# KiCad board M3DU_BoardV3_2.kicad_pcb
title: Model 3 Drive Unit
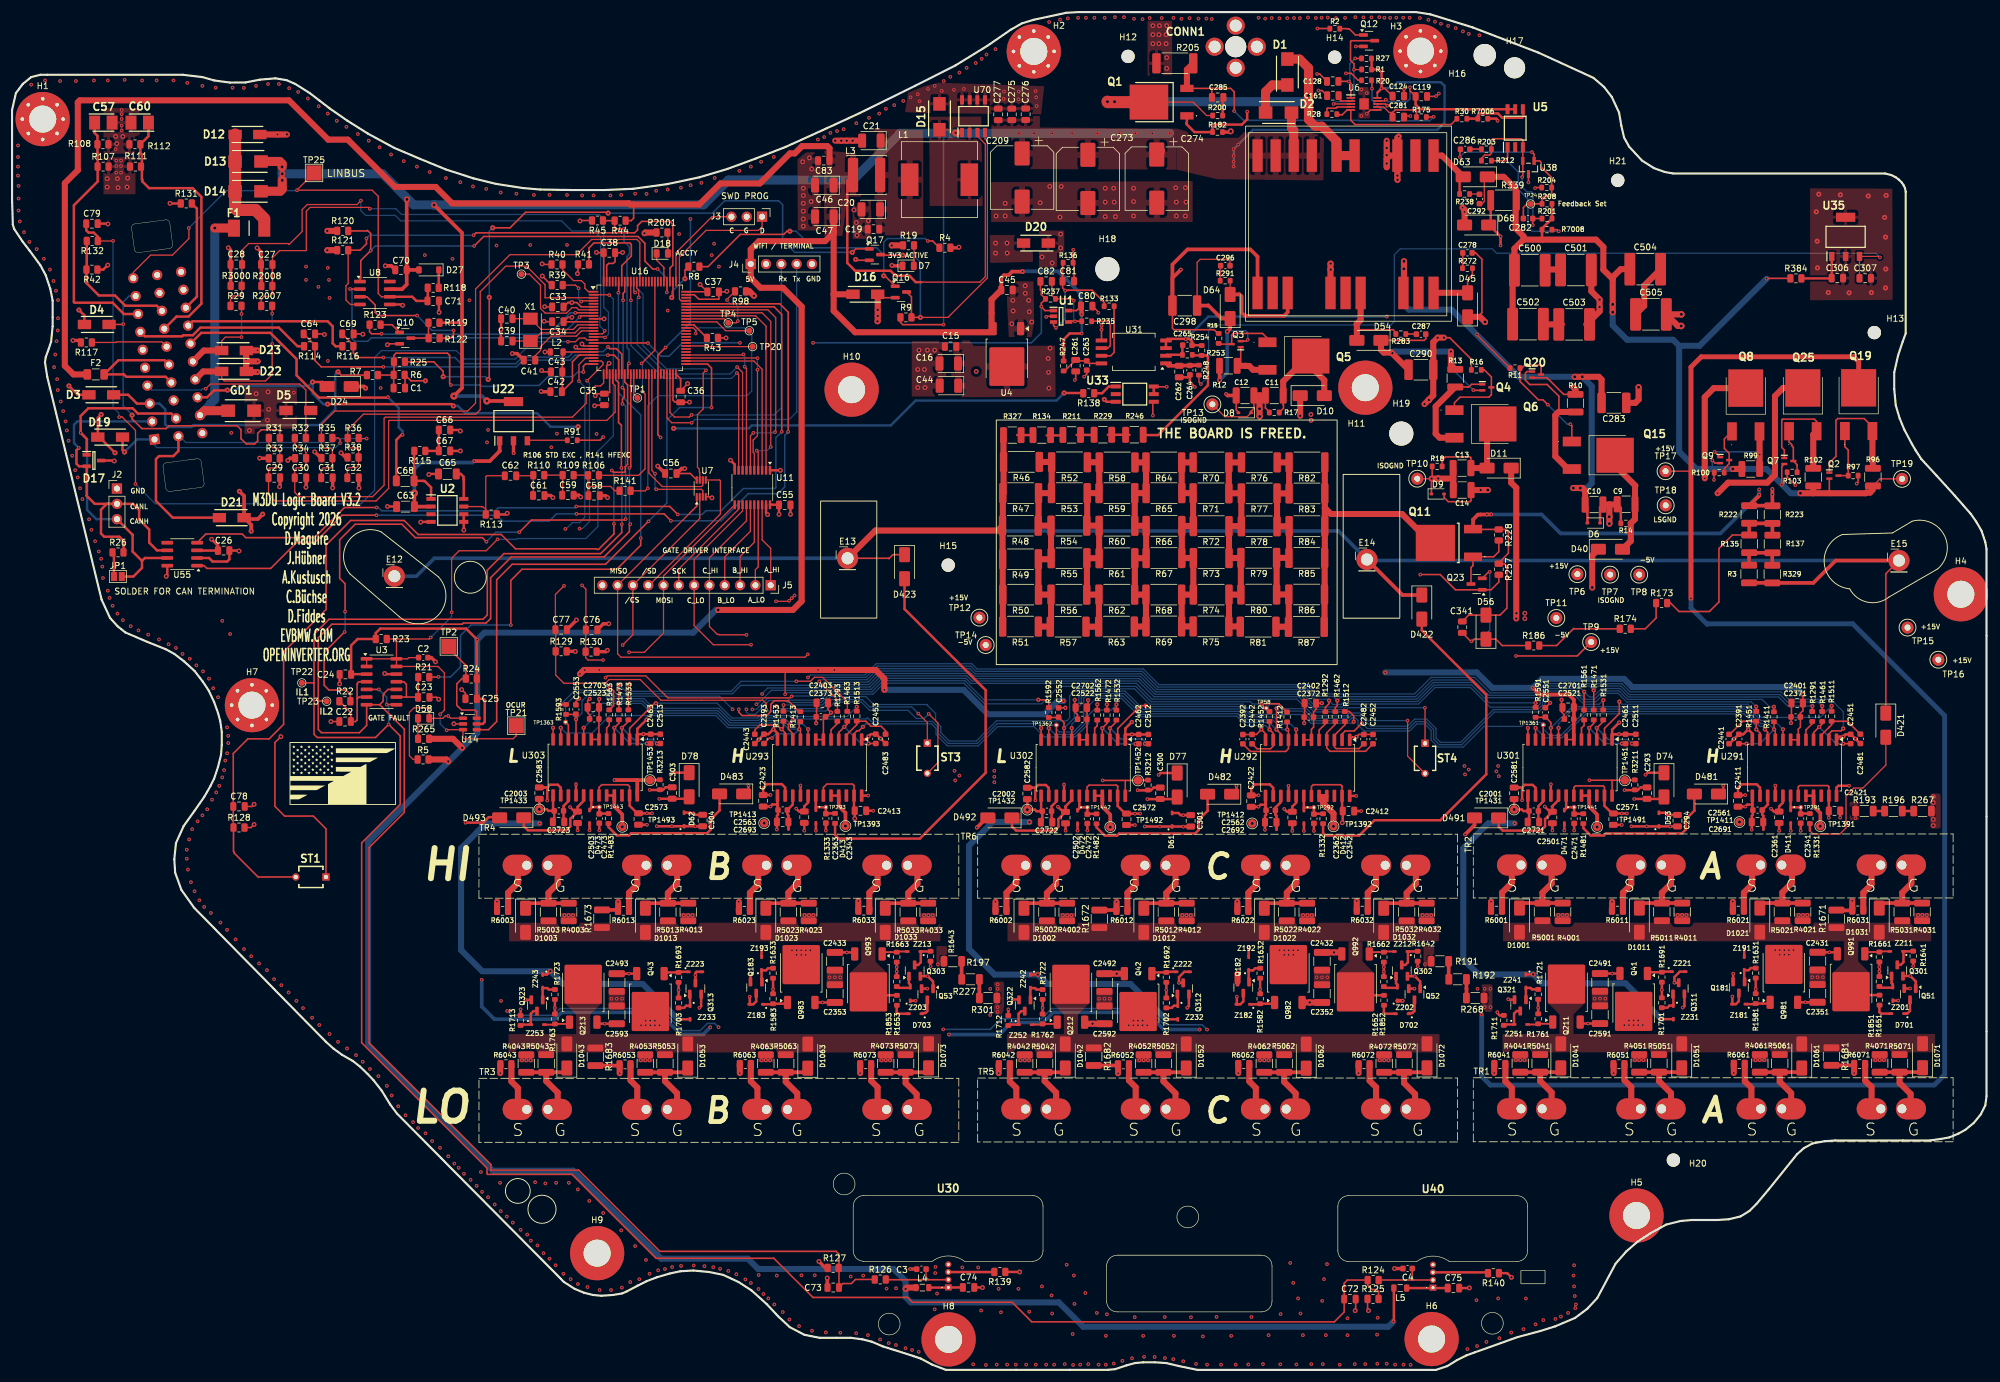
[diagram p0: board, top side]
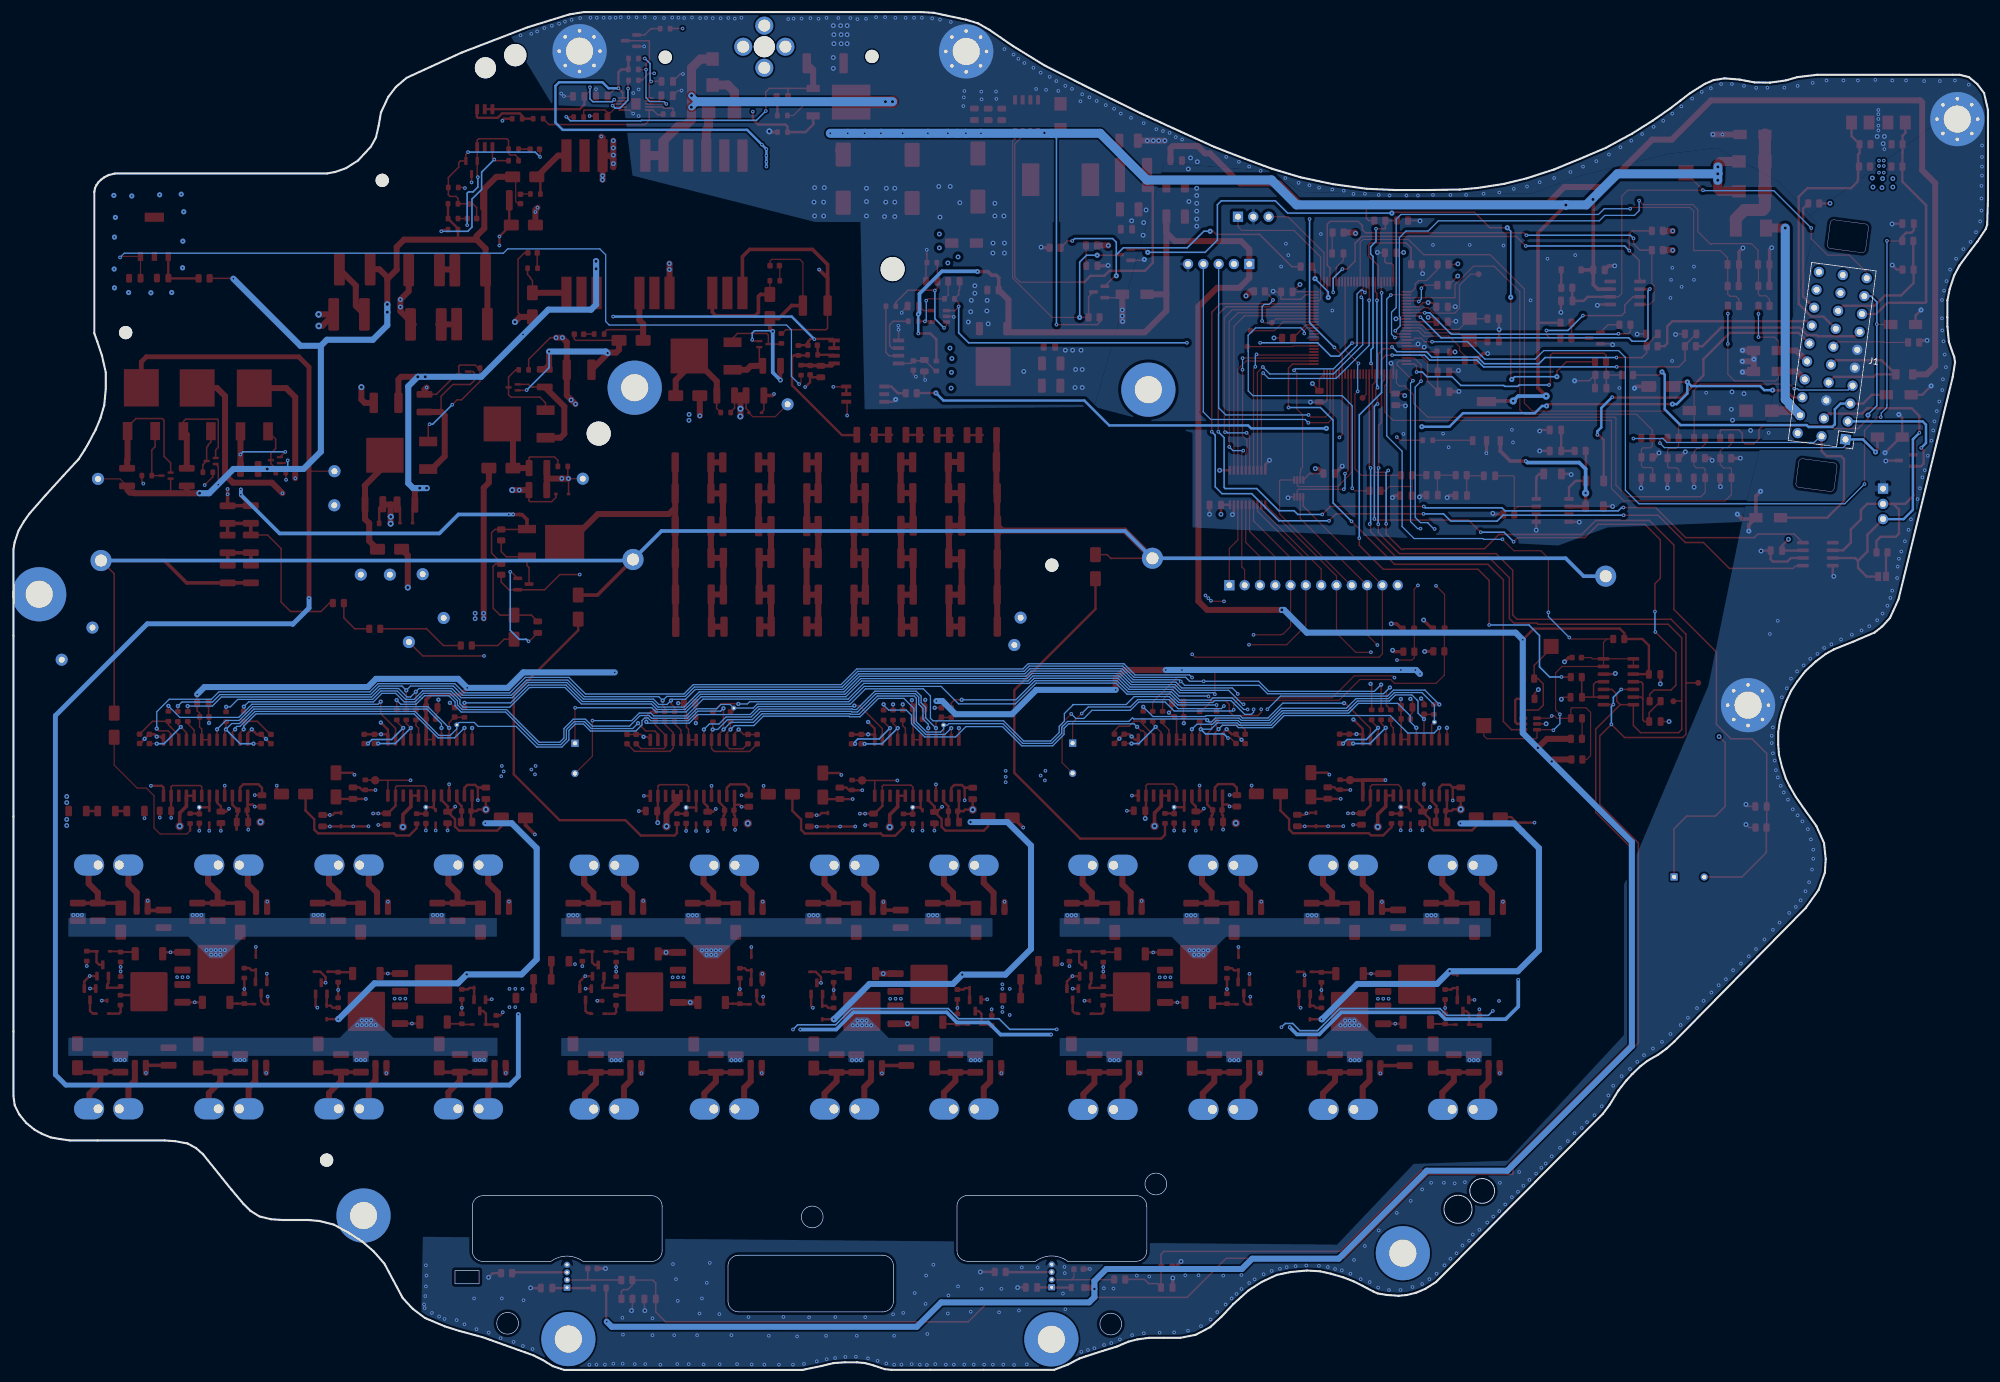
[diagram p1: board, bottom side, seen from below]

Outline 327.61 x 225.43 mm; copper layers: Top, In1.Cu (plane), In2.Cu, Bottom. Coordinates in mm from the lower left corner of the outline.
Outline path: circle c83.92,29.72 r2.06 ; circle c87.93,26.68 r2.33 ; circle c138.06,30.87 r1.8 ; circle c145.54,7.62 r1.8 ; circle c195.08,25.4 r1.8 ; circle c245.62,7.75 r1.8 ; rectangle 250.35,16.51 254.35,14.31 ; 0,194.38 0,205.61 0,209.17 0.64,211.96 1.78,213.49 3.18,214.63 4.7,215.01 28.32,215.01 31.59,214.63 33.56,214.07 36.16,213.71 38.74,213.74 41.16,214.21 43.69,214.42 45.53,214.12 46.99,213.49 49.4,211.96 52.71,209.42 55.63,207.39 59.06,205.23 63.4,202.88 67.7,201.05 71.99,199.29 76.56,197.81 80.29,196.9 84.71,196.22 87.63,195.96 93.04,195.88 98.32,195.88 103.09,196.09 108.65,196.85 114.05,197.99 118.72,199.39 123.29,201.07 128.36,203.04 135.19,206.14 140.68,208.67 149.85,213.19 156.54,216.57 161.8,219.8 165.69,222.48 167.55,223.55 169.55,224.16 174.88,225.3 177.04,225.43 232.92,225.43 235.33,225.04 242.32,222.88 253.24,218.69 262.38,214.5 264.16,212.98 265.43,211.33 266.64,208.72 267.01,206.57 267.46,204.6 268.29,203.09 270.44,200.77 272.42,199.52 274.19,198.88 275.59,198.63 310.77,198.63 311.79,198.37 312.55,197.99 313.06,197.61 313.56,197.1 313.82,196.72 314.07,196.22 314.2,195.58 314.2,172.09 313.69,170.69 312.93,168.4 312.29,165.61 312.29,162.81 312.55,160.15 313.18,157.99 313.97,156.1 315.24,153.7 315.85,152.65 316.78,151.22 319.32,148.48 322.33,145.16 324.99,142.11 325.88,140.84 326.77,139.32 327.41,137.41 327.61,136.27 327.61,121.9 327.61,45.47 327.41,43.94 326.65,42.42 325.5,41.02 324.11,39.88 322.96,39.24 321.44,38.61 320.04,38.35 318.26,38.1 302.52,38.1 300.74,37.97 298.71,37.59 297.31,36.83 296.17,35.81 291.47,29.97 289.43,27.56 288.29,26.42 286.79,25.48 284.86,25.02 282.91,24.89 278.69,24.89 276.84,24.73 274.45,24.13 271.91,22.73 269.75,21.34 267.84,19.69 266.07,17.65 263.02,11.94 261.37,10.16 259.34,8.64 256.03,7.24 253.62,6.48 249.81,5.46 242.7,2.92 241.3,2.41 239.78,1.65 238.13,0.63 236.22,0 196.72,0 193.68,0.63 191.52,1.14 189.61,1.27 187.71,1.27 186.31,1.14 184.91,0.76 183.01,0.13 181.87,0.02 154.94,0.02 152.66,0.89 150.75,1.91 149.61,2.29 146.43,3.3 144.52,3.89 142.62,4.7 141.1,5.08 139.19,5.33 133.99,5.33 131.45,5.84 129.03,7.11 127.13,8.89 125.22,10.92 122.68,13.21 120.52,14.6 117.99,15.78 115.7,16.26 113.03,16.51 110.87,16.38 109.09,16 106.94,15.37 105.28,14.73 103.76,13.97 101.99,13.04 101.22,12.7 99.7,12.45 97.79,12.32 96.39,12.45 94.87,12.83 93.35,13.46 91.57,14.6 63.88,42.54 62.74,44.07 61.34,46.35 59.95,48.13 58.98,49.15 57.71,50.38 56.52,51.31 54.74,52.32 53.34,53.34 52.07,54.48 30.23,76.71 28.12,79.66 27.06,82.55 26.92,84.8 27.2,87.48 28.47,90.29 30.23,92.75 31.88,95.12 32.89,96.9 33.53,98.17 34.16,100.08 34.67,102.11 34.8,103.76 34.8,105.92 34.55,107.7 34.16,109.09 33.53,110.87 32.64,112.78 31.62,114.3 30.29,116.03 28.58,117.6 26.93,118.87 25.53,119.63 22.41,120.88 18.8,122.43 17.53,123.44 16.26,124.84 14.85,127.9 5.84,164.85 5.46,167.26 5.59,168.15 6.1,169.55 6.48,170.69 6.73,173.23 6.73,177.55 6.35,179.45 5.59,181.74 4.7,183.39 2.92,185.8 1.76,187.31 0.36,189.42 0.13,190.12 0,194.38 ; 139.56,27.18 139.56,19.8 arc(140.08,18.56) 141.28,18.04 152.68,18.04 arc(155.35,18.92) 158.03,18.04 169.28,18.04 arc(170.54,18.56) 171.06,19.82 171.06,27.19 arc(170.54,28.44) 169.28,28.96 141.35,28.96 arc(140.08,28.44) 139.56,27.18 ; 181.61,17.27 arc(182.13,18.53) 183.39,19.05 207.27,19.05 arc(208.53,18.53) 209.06,17.25 209.06,11.43 arc(208.54,10.16) 207.27,9.64 183.39,9.64 arc(182.13,10.16) 181.61,11.42 181.61,17.27 ; 219.98,27.16 219.98,19.77 arc(220.5,18.53) 221.7,18.01 233.09,18.01 arc(235.76,18.9) 238.45,18.01 249.7,18.01 arc(250.96,18.53) 251.48,19.79 251.48,27.16 arc(250.96,28.41) 249.7,28.93 221.77,28.93 arc(220.5,28.41) 219.98,27.16
Stack: Top 0.035mm / dielectric 0.2mm FR4 er 4.5 / In1.Cu 0.0175mm / dielectric 1.075mm FR4 er 4.5 / In2.Cu 0.0175mm / dielectric 0.2mm FR4 er 4.5 / Bottom 0.035mm

## Placement (name value [footprint] x y rotation side)
C1  1uF  [C_0805_2012Metric]  64.25 163.01 0 top
C2  10nF  [C_0603_1608Metric]  68.23 118.26 0 top
C3  10nF  [C_0603_1608Metric]  150.88 16.74 180 top
C4  10nF  [C_0603_1608Metric]  231.55 16.84 180 top
C9  2.2uF  [C_1210_3225Metric]  267.81 143.72 0 top
C10  2.2uF  [C_1210_3225Metric]  262.48 143.67 0 top
C11  2.2uF  [C_1210_3225Metric]  209.43 161.77 0 top
C12  2.2uF  [C_1210_3225Metric]  204.58 161.77 0 top
C13  2.2uF  [C_1210_3225Metric]  240.58 149.72 0 top
C14  2.2uF  [C_1210_3225Metric]  240.61 146.07 180 top
C15  1uF  [C_0805_2012Metric]  155.73 169.9 180 top
C16  100uF 6.3V  [CP_EIA-3528-15_AVX-H#2]  155.42 167.09 180 top
C19  1uF  [C_0805_2012Metric]  142.93 189.37 180 top
C20  100uF 6.3V  [CP_EIA-3528-15_AVX-H#2]  142.48 192.67 180 top
C21  100uF 6.3V  [CP_EIA-3528-15_AVX-H#2]  142.58 204.07 180 top
C22  1uF  [C_0805_2012Metric]  55.26 107.65 180 top
C23  1uF  [C_0805_2012Metric]  68.31 111.67 0 top
C24  1uF  [C_0805_2012Metric]  55.31 115.47 180 top
C25  1uF  [C_0805_2012Metric]  76.18 111.42 180 top
C26  100nF  [C_0805_2012Metric]  35.1 136.03 0 top
C27  1uF  [C_0805_2012Metric]  42.26 183.52 180 top
C28  1uF  [C_0805_2012Metric]  37.21 183.52 180 top
C29  1uF  [C_0805_2012Metric]  43.51 148.12 0 top
C30  1uF  [C_0805_2012Metric]  47.86 148.1 0 top
C31  1uF  [C_0805_2012Metric]  52.24 148.1 0 top
C32  1uF  [C_0805_2012Metric]  56.58 148.11 0 top
C33  10uF  [C_0805_2012Metric]  90.56 176.47 0 top
C34  1uF  [C_0805_2012Metric]  90.56 174.02 180 top
C35  1uF  [C_0805_2012Metric]  98.27 161.12 270 top
C36  1uF  [C_0805_2012Metric]  110.93 161.6 270 top
C37  1uF  [C_0805_2012Metric]  116.33 178.97 0 top
C38  1uF  [C_0805_2012Metric]  99.11 185.47 0 top
C39  22pF  [C_0805_2012Metric]  82.09 170.81 0 top
C40  22pF  [C_0805_2012Metric]  82.09 174.52 0 top
C41  100nF  [C_0805_2012Metric]  85.85 167.64 0 top
C42  100nF  [C_0805_2012Metric]  90.28 162.4 0 top
C43  10uF  [C_0805_2012Metric]  90.36 165.7 0 top
C44  100uF 6.3V  [CP_EIA-3528-15_AVX-H#2]  155.45 163.39 180 top
C45  1uF  [C_0805_2012Metric]  165.08 179.29 0 top
C46  100uF 6.3V  [CP_EIA-3528-15_AVX-H]  134.78 196.67 180 top
C47  100uF 6.3V  [CP_EIA-3528-15_AVX-H]  134.78 191.47 180 top
C55  1uF  [C_0805_2012Metric]  128.21 143.6 0 top
C56  1uF  [C_0805_2012Metric]  109.31 148.82 180 top
C57  100uF 6.3V  [CAPPM3528X210N]  15.16 207.07 0 top
C58  22nF  [C_0805_2012Metric]  96.57 145.15 0 top
C59  22nF  [C_0805_2012Metric]  92.23 145.22 0 top
C60  100uF 6.3V  [CAPPM3528X210N]  21.18 207.07 180 top
C61  22nF  [C_0805_2012Metric]  87.39 145.17 0 top
C62  22nF  [C_0805_2012Metric]  82.71 148.45 180 top
C63  10uF  [C_1206_3216Metric]  65.28 143.32 0 top
C64  1nF  [C_0805_2012Metric]  49.33 172 0 top
C65  10uF  [C_1206_3216Metric]  72.23 148.75 0 top
C66  22nF  [C_0805_2012Metric]  71.76 156.05 0 top
C67  22nF  [C_0805_2012Metric]  71.76 152.57 0 top
C68  10uF  [C_1206_3216Metric]  65.23 147.6 180 top
C69  1nF  [C_0805_2012Metric]  55.73 172 0 top
C70  1uF  [C_0805_2012Metric]  64.53 182.62 180 top
C71  1nF  [C_0805_2012Metric]  69.88 177.47 0 top
C72  1nF  [C_0805_2012Metric]  221.98 11.77 0 top
C73  1nF  [C_0805_2012Metric]  136.25 13.69 180 top
C74  1uF  [C_0805_2012Metric]  158.71 13.7 0 top
C75  1uF  [C_0805_2012Metric]  239.16 13.6 0 top
C76  1uF  [C_0805_2012Metric]  96.16 122.87 0 top
C77  1uF  [C_0805_2012Metric]  91.11 122.9 0 top
C78  1uF  [C_0805_2012Metric]  37.66 93.55 0 top
C79  1uF  [C_0805_2012Metric]  13.26 190.3 0 top
C80  1uF  [C_0805_2012Metric]  178.31 176.62 0 top
C81  100pF  [C_0805_2012Metric]  175.26 180.75 0 top
C82  100pF  [C_0805_2012Metric]  171.58 180.72 0 top
C83  1nF  [C_0805_2012Metric]  134.68 200.77 180 top
C119  1uF  [C_0805_2012Metric]  233.83 211.42 0 top
C124  0.1uF  [C_0805_2012Metric]  230.01 211.47 0 top
C128  200pF  [C_0805_2012Metric]  219.13 213.92 180 top
C161  47nF  [C_0805_2012Metric]  219.16 211.55 180 top
C209  100uF 25V  [CP_Elec_10x10]  167.59 197.95 270 top
C261  10uF  [C_0805_2012Metric]  176.48 166.72 270 top
C262  10uF  [C_0805_2012Metric]  193.66 165.75 90 top
C263  100nF  [C_0603_1608Metric]  178.31 166.75 90 top
C264  100nF  [C_0603_1608Metric]  195.43 165.97 270 top
C265  10nF  [C_0603_1608Metric]  195.01 170.12 0 top
C273  220uF 35V  [CP_Elec_10x10]  178.51 197.72 270 top
C274  220uF 35V  [CP_Elec_10x10]  189.93 197.77 270 top
C275  0.1uF  [C_0805_2012Metric]  165.88 208.44 90 top
C276  1uF  [C_0805_2012Metric]  168.18 208.46 90 top
C277  1uF  [C_0805_2012Metric]  163.63 208.44 90 top
C278  82pF  [C_0603_1608Metric]  241.48 185.45 0 top
C281  330pF  [C_0805_2012Metric]  230.01 208 0 top
C282  10nF  [C_0603_1608Metric]  251.53 191.15 0 top
C283  3.3uF  [C_1812_4532Metric]  265.78 160.55 180 top
C285  470pF  [C_0805_2012Metric]  200.03 211.25 180 top
C286  22nF  [C_0603_1608Metric]  241.11 202.65 0 top
C287  82pF  [C_0603_1608Metric]  233.78 171.95 0 top
C290  3.3uF  [C_1812_4532Metric]  233.76 166.05 0 top
C292  82pF  [C_0603_1608Metric]  243.48 194.4 90 top
C293  2.2uF  [C_0805_2012Metric]  271.27 95.76 90 top
C294  2.2uF  [C_0805_2012Metric]  276.33 91.19 270 top
C296  82pF  [C_0603_1608Metric]  201.31 183.32 0 top
C298  3.3uF  [C_1812_4532Metric]  194.58 176.7 180 top
C300  2.2uF  [C_0805_2012Metric]  190.5 95.73 90 top
C301  1uF  [C_0805_2012Metric]  195.56 91.16 270 top
C303  2.2uF  [C_0805_2012Metric]  109.53 95.78 90 top
C304  1uF  [C_0805_2012Metric]  114.58 91.21 270 top
C306  1uF  [C_0805_2012Metric]  302.85 181.26 0 top
C307  10uF  [C_0805_2012Metric]  307.48 181.24 0 top
C341  1uF  [C_0805_2012Metric]  240.63 123.31 90 top
C500  15uF  [C_2220_5750Metric]  251.83 182.56 0 top
C501  15uF  [C_2220_5750Metric]  259.48 182.6 0 top
C502  15uF  [C_2220_5750Metric]  251.53 173.61 0 top
C503  15uF  [C_2220_5750Metric]  259.18 173.57 0 top
C504  15uF  [C_2220_5750Metric]  270.98 182.74 0 top
C505  15uF  [C_2220_5750Metric]  271.93 175.24 0 top
C2001  100nF  [C_0603_1608Metric]  252.48 92.79 0 top
C2002  100nF  [C_0603_1608Metric]  171.71 92.76 0 top
C2003  100nF  [C_0603_1608Metric]  90.73 92.81 0 top
C2341  82pF  [C_0603_1608Metric]  296.78 91.54 270 top
C2342  82pF  [C_0603_1608Metric]  216 91.52 270 top
C2343  82pF  [C_0603_1608Metric]  135.03 91.57 270 top
C2351  4.7uF  [C_1210_3225Metric]  299.57 62.51 90 top
C2352  4.7uF  [C_1210_3225Metric]  217.35 62.48 90 top
C2353  4.7uF  [C_1210_3225Metric]  136.53 62.48 90 top
C2361  1uF  [C_0805_2012Metric]  293.19 91.74 270 top
C2362  1uF  [C_0805_2012Metric]  212.42 91.72 270 top
C2363  1uF  [C_0805_2012Metric]  131.45 91.77 270 top
C2371  100nF  [C_0603_1608Metric]  295.94 108.41 0 top
C2372  100nF  [C_0603_1608Metric]  215.16 108.38 0 top
C2373  100nF  [C_0603_1608Metric]  134.19 108.43 0 top
C2391  82pF  [C_0603_1608Metric]  286.51 104.75 90 top
C2392  82pF  [C_0603_1608Metric]  204.22 104.71 90 top
C2393  82pF  [C_0603_1608Metric]  124.77 104.77 90 top
C2401  4.7uF  [C_0805_2012Metric]  296.19 110.72 0 top
C2402  4.7uF  [C_0805_2012Metric]  215.42 110.69 0 top
C2403  4.7uF  [C_0805_2012Metric]  134.44 110.74 0 top
C2411  1uF  [C_0805_2012Metric]  286.38 94.46 270 top
C2412  1uF  [C_0805_2012Metric]  221.74 92.79 0 top
C2413  1uF  [C_0805_2012Metric]  140.77 92.84 0 top
C2421  1uF  [C_0805_2012Metric]  302.39 92.81 0 top
C2422  1uF  [C_0805_2012Metric]  205.6 94.44 270 top
C2423  1uF  [C_0805_2012Metric]  124.63 94.49 270 top
C2431  4.7uF  [C_1210_3225Metric]  299.57 67.87 90 top
C2432  4.7uF  [C_1210_3225Metric]  217.35 67.84 90 top
C2433  4.7uF  [C_1210_3225Metric]  136.53 67.84 90 top
C2441  470pF  [C_0603_1608Metric]  284.89 104.74 270 top
C2442  470pF  [C_0603_1608Metric]  205.74 104.72 90 top
C2443  470pF  [C_0603_1608Metric]  123.24 104.76 270 top
C2451  82pF  [C_0603_1608Metric]  305.06 104.75 90 top
C2452  82pF  [C_0603_1608Metric]  225.81 104.72 90 top
C2453  82pF  [C_0603_1608Metric]  143.31 104.77 90 top
C2461  82pF  [C_0603_1608Metric]  267.72 104.75 90 top
C2462  82pF  [C_0603_1608Metric]  186.95 104.72 90 top
C2463  82pF  [C_0603_1608Metric]  105.97 104.77 90 top
C2471  82pF  [C_0603_1608Metric]  259.18 91.52 270 top
C2472  82pF  [C_0603_1608Metric]  178.41 91.49 270 top
C2473  82pF  [C_0603_1608Metric]  97.44 91.54 270 top
C2481  82pF  [C_0603_1608Metric]  306.68 104.78 270 top
C2482  82pF  [C_0603_1608Metric]  224.28 104.72 90 top
C2483  82pF  [C_0603_1608Metric]  144.93 104.78 270 top
C2491  4.7uF  [C_1210_3225Metric]  263.48 64.34 270 top
C2492  4.7uF  [C_1210_3225Metric]  181.26 64.31 270 top
C2493  4.7uF  [C_1210_3225Metric]  100.33 64.31 270 top
C2501  1uF  [C_0805_2012Metric]  255.58 91.72 270 top
C2502  1uF  [C_0805_2012Metric]  174.8 91.69 270 top
C2503  1uF  [C_0805_2012Metric]  93.83 91.74 270 top
C2511  82pF  [C_0603_1608Metric]  269.42 104.75 90 top
C2512  82pF  [C_0603_1608Metric]  188.55 104.72 90 top
C2513  82pF  [C_0603_1608Metric]  107.56 104.77 90 top
C2521  100nF  [C_0603_1608Metric]  258.35 108.05 0 top
C2522  100nF  [C_0603_1608Metric]  177.57 108.03 0 top
C2523  100nF  [C_0603_1608Metric]  96.6 108.08 0 top
C2551  82pF  [C_0603_1608Metric]  254.41 109.17 90 top
C2552  82pF  [C_0603_1608Metric]  173.64 109.14 90 top
C2553  82pF  [C_0603_1608Metric]  93.55 109.65 90 top
C2561  100nF  [C_0603_1608Metric]  289.61 92.94 0 top
C2562  100nF  [C_0603_1608Metric]  208.84 92.91 0 top
C2563  100nF  [C_0603_1608Metric]  127.87 92.96 0 top
C2571  1uF  [C_0805_2012Metric]  265.69 91.44 270 top
C2572  1uF  [C_0805_2012Metric]  184.91 91.41 270 top
C2573  1uF  [C_0805_2012Metric]  103.94 91.46 270 top
C2581  1uF  [C_0805_2012Metric]  249.23 95.73 270 top
C2582  2.2uF  [C_0805_2012Metric]  168.45 95.71 270 top
C2583  2.2uF  [C_0805_2012Metric]  87.48 95.76 270 top
C2591  4.7uF  [C_1210_3225Metric]  263.48 58.98 270 top
C2592  4.7uF  [C_1210_3225Metric]  181.26 58.95 270 top
C2593  4.7uF  [C_1210_3225Metric]  100.33 58.95 270 top
C2691  4.7uF  [C_0805_2012Metric]  289.61 90.96 0 top
C2692  4.7uF  [C_0805_2012Metric]  208.84 90.93 0 top
C2693  4.7uF  [C_0805_2012Metric]  127.87 90.98 0 top
C2701  4.7uF  [C_0805_2012Metric]  258.19 109.98 0 top
C2702  4.7uF  [C_0805_2012Metric]  177.42 109.96 0 top
C2703  4.7uF  [C_0805_2012Metric]  96.45 110.01 0 top
C2721  4.7uF  [C_0805_2012Metric]  252.43 90.96 0 top
C2722  4.7uF  [C_0805_2012Metric]  171.65 90.93 0 top
C2723  4.7uF  [C_0805_2012Metric]  90.68 90.98 0 top
CONN1  HV_Hvil  [HV_HVIL]  203.03 219.67 0 top
D1  1N5819  [DIOM5336X244N]  211.61 215.47 90 top
D2  1N5935B  [DIOM5336X244N]  210.13 208.75 0 top
D3  SMAJ18CA  [DIOM5127X229N]  14.8 161.89 180 top
D4  SMAJ18CA  [DIOM5127X229N]  14.05 173.56 180 top
D5  SMAJ18CA  [DIOM5127X229N]  47.5 159.29 180 top
D6  5V1  [D_SOD-323#2]  262.43 140.6 180 top
D7  3V3 LED  [LED_0805_2012Metric]  148.68 183.3 0 top
D8  5V1  [D_SOD-323#2]  204.53 158.9 180 top
D9  5V1  [D_SOD-323#2]  236.56 145.42 0 top
D10  SS35  [D_SMA]  215.73 161.75 0 top
D11  SS35  [D_SMA]  246.73 149.72 180 top
D12  SMAJ18CA  [DIONM5127X229N]  39.06 205.1 0 top
D13  SS54B  [DIOM5336X244N]  39.16 200.62 180 top
D14  SS54B  [DIOM5336X244N]  39.16 195.67 180 top
D15  SS54B  [DIOM5336X244N]  153.88 208.04 90 top
D16  SMAJ7.0A  [DIOM5026X229N]  141.58 178.57 0 top
D17  ESDCAN01-2BLY  [SOT95P255X150-3N]  13.58 150.97 0 top
D18  LED  [LED_0805_2012Metric]  107.88 185.35 0 top
D19  SMAJ18CA  [DIOM5127X229N]  16.28 154.86 180 top
D20  SMAJ7.0A  [DIOM5026X229N]  169.88 187.07 180 top
D21  SMAJ18CA  [DIOM5127X229N]  36.45 141.49 0 top
D22  SMAJ7.0A  [DIOM5026X229N]  36.83 165.76 0 top
D23  SMAJ7.0A  [DIOM5026X229N]  36.83 169.24 0 top
D24  SMAJ18CA  [D_SMA]  54.28 163.26 180 top
D27  1N4148W  [D_SOD-123]  69.16 182.62 180 top
D40  SS35  [D_SMA]  265.21 136.25 0 top
D45  STPS2H100-Y  [D_SMA]  241.51 176.82 90 top
D53  G1  [D_SOD-323]  273.26 91.36 90 top
D54  STPS2H100-Y  [D_SMA]  225.13 170.92 180 top
D56  15V  [D_SMA]  244.55 123.31 90 top
D58  LED  [LED_0805_2012Metric]  68.28 108.17 180 top
D61  G1  [D_SOD-323]  192.48 91.34 90 top
D62  G1  [D_SOD-323]  111.51 91.39 90 top
D63  STPS2H100-Y  [D_SMA]  242.78 198.07 180 top
D64  STPS2H100-Y  [D_SMA]  202.11 176.55 90 top
D68  Zener 5V1  [D_SMA]  243.01 190.07 180 top
D74  VN17  [D_SMA]  274.09 97.13 270 top
D77  VN17  [D_SMA]  193.32 97.1 270 top
D78  VN17  [D_SMA]  112.35 97.15 270 top
D411  JV  [D_SOD-323]  295.12 91.85 270 top
D412  JV  [D_SOD-323]  214.35 91.82 270 top
D413  JV  [D_SOD-323]  133.38 91.87 270 top
D421  VN17  [D_SMA]  310.9 107.04 270 top
D422  VN17  [D_SMA]  233.91 126.64 270 top
D423  VN17  [D_SMA]  148.08 133.35 270 top
D471  JV  [D_SOD-323]  257.56 91.82 270 top
D472  JV  [D_SOD-323]  176.79 91.8 270 top
D473  JV  [D_SOD-323]  95.81 91.84 270 top
D481  VN17  [D_SMA]  281.14 95.61 180 top
D482  VN17  [D_SMA]  200.36 95.58 180 top
D483  VN17  [D_SMA]  119.39 95.63 180 top
D491  VN17  [D_SMA]  244.65 91.64 180 top
D492  VN17  [D_SMA]  163.91 91.64 180 top
D493  VN17  [D_SMA]  82.91 91.67 180 top
D701  JV  [D_SOD-323]  312.88 59.16 180 top
D702  JV  [D_SOD-323]  230.66 59.13 180 top
D703  JV  [D_SOD-323]  149.84 59.13 180 top
D1001  2H2  [D_SMA]  250.12 74.68 270 top
D1002  2H2  [D_SMA]  167.9 74.65 270 top
D1003  2H2  [D_SMA]  85.19 74.65 270 top
D1011  2H2  [D_SMA]  270 74.68 270 top
D1012  2H2  [D_SMA]  187.78 74.65 270 top
D1013  2H2  [D_SMA]  105.08 74.65 270 top
D1021  2H2  [D_SMA]  289.99 74.68 270 top
D1022  2H2  [D_SMA]  207.77 74.65 270 top
D1023  2H2  [D_SMA]  125.07 74.65 270 top
D1031  2H2  [D_SMA]  309.81 74.68 270 top
D1032  2H2  [D_SMA]  227.59 74.65 270 top
D1033  2H2  [D_SMA]  144.88 74.65 270 top
D1041  2H2  [D_SMA]  256.97 52.15 90 top
D1042  2H2  [D_SMA]  174.75 52.12 90 top
D1043  2H2  [D_SMA]  92.05 52.12 90 top
D1051  2H2  [D_SMA]  277.04 52.15 90 top
D1052  2H2  [D_SMA]  194.82 52.12 90 top
D1053  2H2  [D_SMA]  112.12 52.12 90 top
D1061  2H2  [D_SMA]  296.95 52.12 90 top
D1062  2H2  [D_SMA]  214.73 52.1 90 top
D1063  2H2  [D_SMA]  132.03 52.1 90 top
D1071  2H2  [D_SMA]  316.99 52.17 90 top
D1072  2H2  [D_SMA]  234.77 52.15 90 top
D1073  2H2  [D_SMA]  152.07 52.15 90 top
E12  HV+  [M3_HVPOS]  63.43 131.77 0 top
E13  HV+  [M3_HVPOS]  138.63 134.75 0 top
E14  HV+  [M3_HVPOS]  224.81 134.55 0 top
E15  HV+  [M3_HVPOS]  313.08 134.37 0 top
F1  JFC2410-0500TS  [FUSC6126X280N]  39.33 189.55 0 top
F2  1206L050/24WR  [Fuse_1206_3216Metric]  13.88 165.27 180 top
G***  LOGO  [US-Irish-Flag-neg]  55.62 98.96 0 top
GD1  2051-09-SM-RPLF  [DIOM5336X244N]  38.01 159.25 180 top
H1  MountingHole_Pad  [MountingHole_4.5mm_Pad_Via]  5.08 207.65 0 top
H2  MountingHole_Pad  [MountingHole_4.5mm_Pad_Via]  169.53 218.89 0 top
H3  MountingHole_Pad  [MountingHole_4.5mm_Pad_Via]  233.68 218.93 0 top
H4  MountingHole_Pad  [MountingHole_4.5mm_Pad_TopBottom]  323.34 128.77 0 top
H5  MountingHole_Pad  [MountingHole_4.5mm_Pad_TopBottom]  269.53 25.64 0 top
H6  MountingHole_Pad  [MountingHole_4.5mm_Pad_TopBottom]  235.54 5.13 0 top
H7  MountingHole_Pad  [MountingHole_4.5mm_Pad_Via]  39.8 110.36 0 top
H8  MountingHole_Pad  [MountingHole_4.5mm_Pad_TopBottom]  155.4 5.08 0 top
H9  MountingHole_Pad  [MountingHole_4.5mm_Pad_TopBottom]  97.08 19.39 0 top
H10  MountingHole_Pad  [MountingHole_4.5mm_Pad_TopBottom]  139.3 162.74 0 top
H11  MountingHole_Pad  [MountingHole_4.5mm_Pad_TopBottom]  224.54 163.06 0 top
H12  MountingHole  [MountingHole_2.2mm_M2]  185.17 218.06 0 top
H13  MountingHole  [MountingHole_2.2mm_M2]  308.99 172.21 0 top
H14  MountingHole  [MountingHole_2.2mm_M2]  219.46 217.93 0 top
H15  MountingHole  [MountingHole_2.2mm_M2]  155.32 133.6 0 top
H16  MountingHole  [MountingHole_3.7mm]  244.35 218.27 0 top
H17  MountingHole  [MountingHole_3.5mm]  249.3 216.17 0 top
H18  MountingHole  [MountingHole_4mm]  181.74 182.75 0 top
H19  MountingHole  [MountingHole_4mm]  230.51 155.45 0 top
H20  MountingHole  [MountingHole_2.2mm_M2]  275.65 34.84 0 top
H21  MountingHole  [MountingHole_2.2mm_M2]  266.42 197.49 0 top
J1  Conn_01x30_Male  [M3DU_MAINCONN]  25.65 169.87 7.5 bottom
J2  CAN MON  [PinHeader_1x03_P2.54mm_Vertical]  17.41 146.32 0 top
J3  M032.54MM  [PinHeader_1x03_P2.54mm_Vertical]  124.44 191.45 270 top
J4  WiFi Serial Interface  [PinHeader_1x05_P2.54mm_Vertical]  122.56 183.6 90 top
J5  Conn_01x12_Socket  [PinSocket_1x12_P2.54mm_Vertical]  125.87 130.27 270 top
JP1  SolderJumper_2_Open  [SolderJumper-2_P1.3mm_Open_Pad1.0x1.5mm]  17.56 131.72 0 top
L1  68uH  [L_12x12mm_H8mm]  153.88 197.6 180 top
L2  10uH  [L_0805_2012Metric]  90.37 169 0 top
L3  3uH  [L_APV_ANR6020]  141.78 198.37 180 top
L4  10uH  [L_0805_2012Metric]  151.04 13.67 0 top
L5  10uH  [L_0805_2012Metric]  230.33 13.6 0 top
Q1  -  [IPD50N06S409ATMA2]  190.68 210.47 90 top
Q2  BC857BT-7-F  [SOT50P160X90-3N]  302.28 148.47 0 top
Q3  BC857BT-7-F  [SOT50P160X90-3N]  203.11 170.3 180 top
Q4  BC857BT-7-F  [SOT50P160X90-3N]  244.71 163.12 0 top
Q5  NJVMJD127T4G  [NVD5117PLT4GVF01]  217.25 168.32 180 top
Q6  NJVMJD127T4G  [NVD5117PLT4GVF01]  248.27 157.05 180 top
Q7  BC857BT-7-F  [SOT50P160X90-3N]  294.81 150.9 0 top
Q8  NJVMJD127T4G  [NVD5117PLT4GVF01]  287.66 164.76 270 top
Q9  BC857BT-7-F  [SOT50P160X90-3N]  284.16 151.05 0 top
Q10  MMBT3904  [SOT-23]  65.23 171.3 0 top
Q11  -  [FGD3N60LSDTM]  238.41 137.3 90 top
Q12  MMBT3904  [SOT-23]  225.16 220.67 0 top
Q15  NJVMJD127T4G  [NVD5117PLT4GVF01]  267.75 151.85 180 top
Q16  MMBT3904  [SOT-23]  147.48 178.96 0 top
Q17  MMBT3904  [SOT-23]  143.17 185.16 0 top
Q19  NJVMJD127T4G  [NVD5117PLT4GVF01]  306.39 164.82 270 top
Q20  BC857BT-7-F  [SOT50P160X90-3N]  252.96 165.25 0 top
Q23  BSS84W  [SOT-23]  243.01 130.47 180 top
Q25  NJVMJD127T4G  [NVD5117PLT4GVF01]  297.13 164.79 270 top
Q41  45P4LLF6  [TO-252-2]  269.06 60.78 270 top
Q42  45P4LLF6  [TO-252-2]  186.84 60.75 270 top
Q43  45P4LLF6  [TO-252-2]  105.92 60.75 270 top
Q51  SG NMOS D  [SOT-23]  314.91 62.38 270 top
Q52  SG NMOS D  [SOT-23]  232.69 62.36 270 top
Q53  SG NMOS D  [SOT-23]  151.87 62.36 270 top
Q181  BSS84AK  [SOT-23]  286.51 63.5 270 top
Q182  BSS84AK  [SOT-23]  204.29 63.47 270 top
Q183  BSS84AK  [SOT-23]  123.47 63.47 270 top
Q211  3N0408  [TO-252-2]  257.91 62.8 90 top
Q212  3N0408  [TO-252-2]  175.69 62.77 90 top
Q213  3N0408  [TO-252-2]  94.77 62.77 90 top
Q301  BSS138BK  [SOT-23]  312.8 66.32 90 top
Q302  BSS138BK  [SOT-23]  230.58 66.29 90 top
Q303  BSS138BK  [SOT-23]  149.76 66.29 90 top
Q311  BSS84AK  [SOT-23]  276.53 63.35 90 top
Q312  BSS84AK  [SOT-23]  194.31 63.32 90 top
Q313  BSS84AK  [SOT-23]  113.39 63.32 90 top
Q321  BSS138BK  [SOT-23]  250.24 60.53 270 top
Q322  BSS138BK  [SOT-23]  168.02 60.5 270 top
Q323  BSS138BK  [SOT-23]  87.1 60.5 270 top
Q981  45P4LLF6  [TO-252-2]  293.98 66.07 90 top
Q982  45P4LLF6  [TO-252-2]  211.76 66.04 90 top
Q983  45P4LLF6  [TO-252-2]  130.94 66.04 90 top
Q991  3N0408  [TO-252-2]  305.13 64.05 270 top